# Altium PCB Rear Power Distibution.PcbDoc (part 2 of 3) (continued)
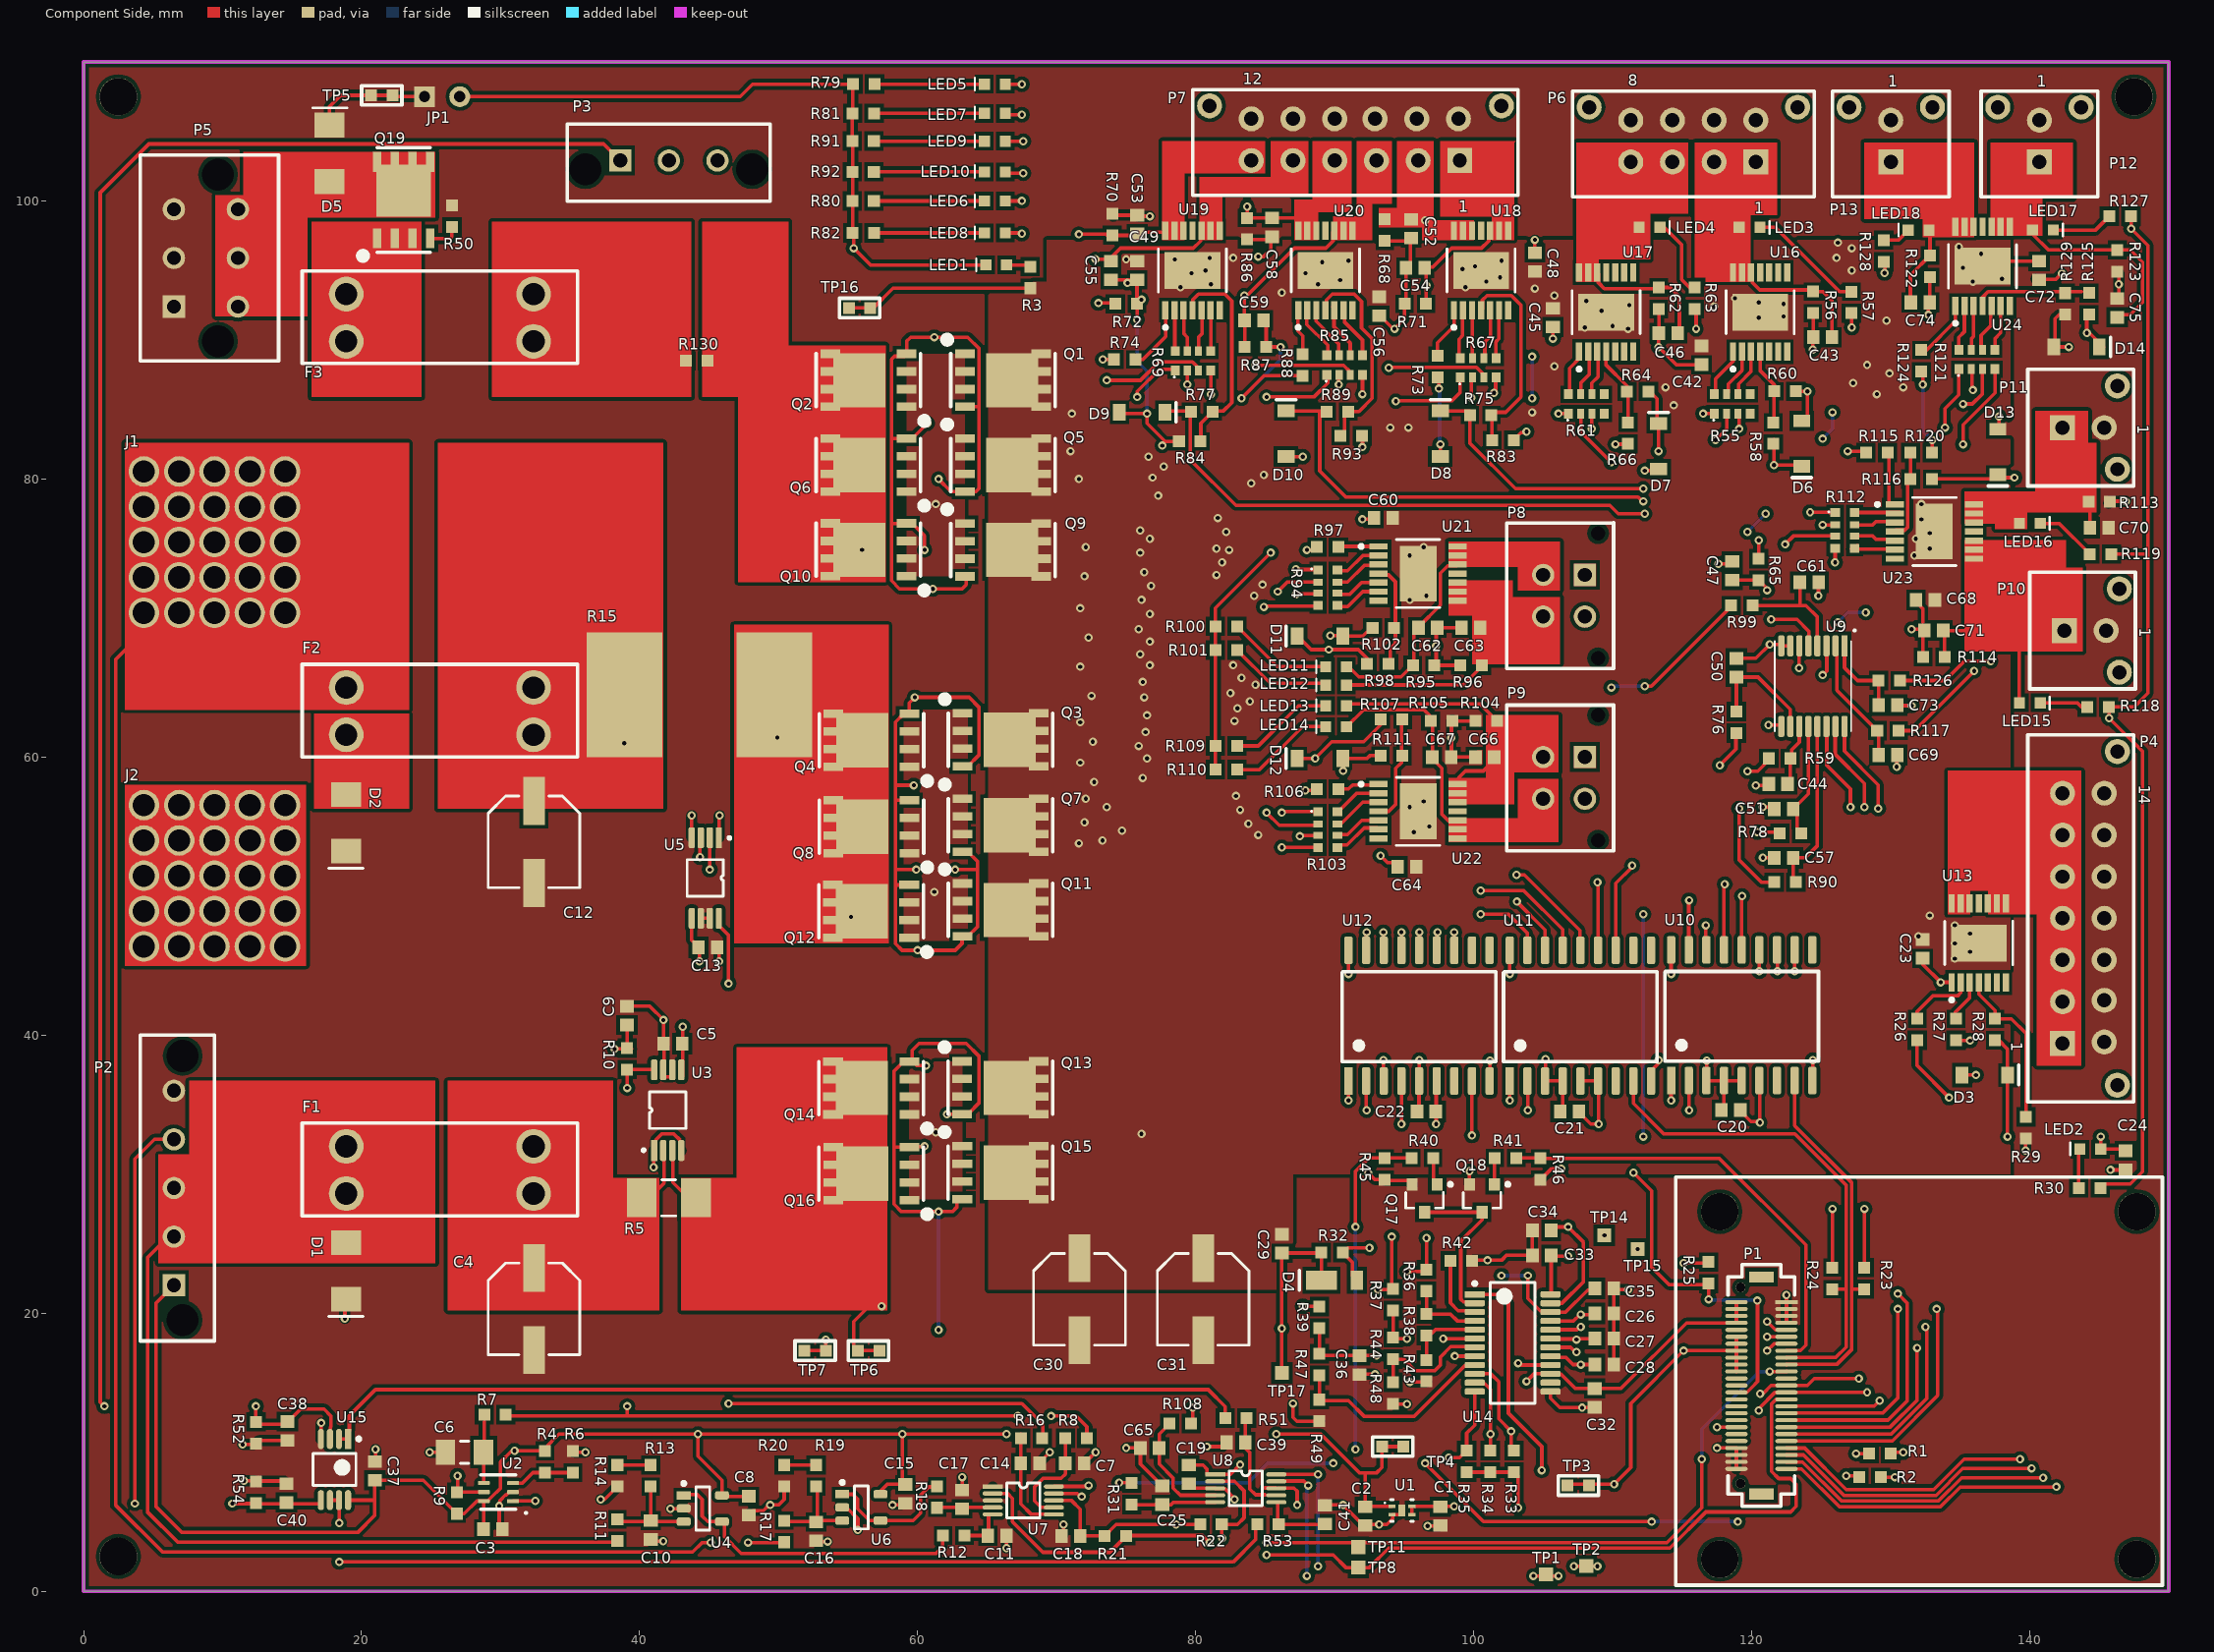
[diagram p0: Component Side view]
## Nets (pads, with @x,y where several pads share a name; then routed paths per layer and width w, separated by ;. In a path a pad name is that pad's centre, name@x,y a point inside that pad or via, vN(x,y) a via of type N, cw(c..) or ccw(c..) an arc to the next point about the centre after c; other vN are vias at no path point) (continued)
  Signal w0.254: v1(72.3,7.6) 78.1,1.8 v1(88.8,1.8) v1(107.2,1.8) v1(108.9,1.8) 112.216,1.8 115.816,5.4 115.816,6.811 120.5,11.495 v1(120.5,13) ; v1(91,35.3) v1(102.6,35.3) v1(114.2,35.3) 124.8,35.3 129.413,30.687 129.413,15.413 v1(128.3,14.3) 127.5,13.5 v1(127.5,9.9)
  Solder Side w0.254: v1(88.8,1.8) v1(88.8,8.4)
ADC_I2C_SDA: P1.13 R2.2 TP1.TP U7.9 U8.9 U10.2 U11.2 U12.2 | length 147.6
  Component Side w0.254: U7.9@69.802,7.027 71.479,7.027 71.706,6.8 v1(71.8,6.8) ; U8.9@85.8,7.929 87.771,7.929 v1(88.1,7.6) ; U12.2@92.258,36.7 92.279,36.679 92.279,34.621 v1(92.3,34.6) ; U11.2@103.864,36.7 103.882,36.682 103.882,34.618 v1(103.9,34.6) ; v1(104.3,1.1) v1(106.1,1.1) ; v1(115.5,34.6) U10.2@115.5,36.67 ; v1(120.6,14.2) 120.8,14.2 121.4,14.8 P1.13@122.5,14.8 124,14.8 124.5,15.3 v1(127.7,15.3) ; v1(126.8,8.3) 127.625,8.3 R2.2@127.725,8.2
  Signal w0.254: v1(71.8,6.8) 77.5,1.1 v1(88,1.1) v1(104.3,1.1) ; v1(92.3,34.6) v1(103.9,34.6) v1(115.5,34.6) 124.4,34.6 128.781,30.219 128.781,16.381 v1(127.7,15.3) 126.8,14.4 v1(126.8,8.3) ; v1(106.1,1.1) 113.584,1.1 121.181,8.697 121.181,13.619 v1(120.6,14.2)
  Solder Side w0.254: v1(88,1.1) 88,7.5 v1(88.1,7.6)
AUX_BAT_IN: D1.1 F1.1 F1.3 P2.2 P2.3 R11.1 | length 55.2
  Component Side w0.254: P2.2@6.5,25.5 6.1,25.5 4.6,24 4.6,5.7 6.779,3.521 R11.1@38.1,3.521
AUX_CURRENT_SENSE: R7.1 R8.1 R10.1 U3.8 | length 69.9
  Component Side w0.254: R7.1@30.375,12.5 30.475,12.6 39.1,12.6 ; v1(39.101,13.301) 39.1,12.6 ; v1(39.101,36.199) R10.1@39.101,37.521 39.101,37.525 40.95,37.525 U3.8@41.05,37.425 ; v1(67.2,12.6) 39.1,12.6 ; v1(69.6,12.6) 71.4,12.6 72.175,11.825 R8.1@72.175,11 R8.1@72.2,11.025
  Signal w0.254: v1(39.101,13.301) v1(39.101,36.199) ; v1(67.2,12.6) v1(69.6,12.6)
AUX_FUSED: C35.1 Q14.5 Q14.6 Q14.7 Q14.8 Q16.5 Q16.6 Q16.7 Q16.8 R5.2 R39.1 TP6.1 U3.3 U14.22 | length 66.3
  Component Side w0.254: U3.3@42.4,31.2 42.4,29.4 43.5,28.3 R5.2@44.05,28.3 ; TP6.1@57.25,17.3 TP6.1@55.7,17.3 55.402,17.598 55.402,19.402 56.5,20.5 v1(57.4,20.5) ; v1(87.7,20.5) R39.1@88.9,20.5 ; v1(103.9,22.7) 103.9,21.061 104.783,20.178 105.427,20.178 U14.22@105.525,20.08 106.618,20.08 108.2,21.662 C35.1@108.725,21.662
  Signal w0.254: v1(57.4,20.5) v1(87.7,20.5) 99.8,20.5 v1(102,22.7)
  Solder Side w0.254: v1(102,22.7) v1(103.9,22.7)
AUX_ISENSE: C7.1 R8.2 U7.7 | length 7.8
  Component Side w0.254: U7.7@69.802,6.027 68.873,6.027 68.4,6.5 68.4,7.5 69.025,8.125 70.325,8.125 70.625,8.425 C7.1@70.625,9.2 R8.2@70.625,11
AUX_OVERCURRENT: R40.2 R45.1 U2.1 | length 86.7
  Component Side w0.254: U2.1@30.894,6.481 30.903,6.491 32.491,6.491 v1(32.5,6.5) ; v1(91.5,26.2) 91.5,30.2 92.462,31.162 93.475,31.162 93.6,31.037 93.725,31.162 R40.2@95.525,31.162
  Signal w0.254: v1(32.5,6.5) 35.2,6.5 38.019,9.319 80.982,9.319 81.863,10.2 v1(91.5,10.2)
  Solder Side w0.254: v1(91.5,10.2) v1(91.5,26.2)
AUX_TEMP: C41.1 R53.2 U8.6 | length 4.5
  Component Side w0.254: R53.2@85.9,4.8 U8.6@85.9,6.329 ; R53.2@85.975,4.8 C41.1@88.9,4.8
AUX_THERMISTOR: C40.1 P2.4 R54.1 U15.5 | length 41.4
  Component Side w0.254: v1(3.7,6.3) 3.7,31.1 5.1,32.5 P2.4@6.5,32.5 ; v1(10.7,6.3) 12.375,6.3 R54.1@12.4,6.325 ; R54.1@12.4,6.275 U15.5@17.1,6.275
  Signal w0.254: v1(3.7,6.3) v1@10.55,6.3
AUX_VSENSE: C11.1 R12.2 U7.5 | length 3.4
  Component Side w0.254: R12.2@63.375,4 65.027,4 C11.1@65.043,3.984 ; C11.1@65.102,3.723 U7.5@65.102,5.427
BMS_CARRIER_EN: R61.2 U11.13 | length 41.2
  Component Side w0.254: R61.2@107.7,84.7 107.7,83.4 v1(109.9,81.2) ; v1(108.9,51) 108.944,50.956 U11.13@108.944,46.1 U11.13@108.944,45.7
  Signal w0.254: v1(108.9,51) 108.9,51.1 110.9,53.1 110.9,80.2 v1(109.9,81.2)
BMS_ISENSE: C47.1 R65.1 U9.5 | length 9.5
  Component Side w0.254: C47.1@118.3,72.725 C47.1@118.6,72.725 R65.1@120.5,72.725 121.1,72.125 v1(121.1,72) ; v1(121.4,69.9) 123.264,69.9 124.1,69.064 124.1,68.025 U9.5@124.075,68
  Signal w0.254: v1(121.1,72) 121.4,71.7 v1(121.4,69.9)
BMS_PWR: C46.1 LED4.1 P6.3 P6.4 R62.1 U17.12 U17.13 U17.14 | length 9.7
  Component Side w0.254: U17.12@108.871,94.85 108.969,94.752 108.969,94.127 109.396,93.7 113.225,93.7 113.3,93.775 114.125,93.775 114.8,93.1 114.8,90.621 C46.1@114.675,90.496
CAM_CHAGER_DSEL: R103.3 U10.16 | length 35.4
  Component Side w0.254: v1(87.5,54.3) 87.55,54.35 88.75,54.35 R103.3@88.8,54.4 ; U10.16@116.7,45.74 v1(116.7,47.9)
  Signal w0.254: v1(87.5,54.3) 89.595,52.205 103.595,52.205 107.9,47.9 v1(116.7,47.9)
CAM_CHAGER_IS: C65.1 R108.1 U8.4 | length 8.6
  Component Side w0.254: R108.1@78.125,12.054 77.375,11.304 C65.1@77.375,10.3 77.375,9.145 78.379,8.141 78.379,7.421 78.9,6.9 U8.4@81.4,6.9
CENTER_BRAKE_LIGHT_EN: R67.4 U12.12 | length 70.7
  Component Side w0.254: U12.12@98.6,45.708 v1(98.6,47.4) ; v1(101.471,86.2) 101.581,86.31 R67.4@101.581,87.39
  Signal w0.254: 89.8,84.7 89.781,84.719 88.019,84.719 80.5,77.2 80.495,55.676 86.247,49.924 96.076,49.924 v1(98.6,47.4) ; 89.819,84.719 100.019,84.719 v1@101.485,86.185
Center_Brake_Light_PWR: C52.1 LED7.1 P7.2 R68.1 U18.12 U18.13 U18.14 | length 49.6
  Component Side w0.254: LED7.1@66.3,106.3 66.4,106.2 v1(67.5,106.2) ; C52.1@95.5,98.675 v1@96.381,98.675 ; v1@96.478,98.578 97.181,97.875 98.554,97.875 U18.14@98.579,97.85
  Signal w0.254: v1(67.5,106.2) 75,106.2 77.1,108.3 99,108.3 100.281,107.019 100.281,100.881 98,98.6 v1(96.5,98.6)
CHARGER_EN: R103.4 U11.15 | length 26.7
  Component Side w0.254: v1(86.2,53.5) 86.205,53.495 88.775,53.495 R103.4@88.78,53.5 ; v1(100.5,50.4) 103.6,50.4 106.404,47.596 U11.15@106.404,46.1
  Signal w0.254: v1(86.2,53.5) 88.558,51.142 99.758,51.142 v1(100.5,50.4)
Charger_PWR: C67.1 LED14.1 P9.1 R105.1 U22.8 U22.9 U22.10 | length 15.2
  Component Side w0.254: LED14.1@90.85,62.175 92.079,63.404 96.421,63.404 R105.1@96.925,62.9 ; R105.1@96.925,62.7 97.025,62.6 C67.1@97.025,60 97.025,59.875 97.714,59.186 97.714,55.886 98.2,55.4 U22.10@98.752,55.4
DCDC_FUSED: C34.1 Q4.5 Q4.6 Q4.7 Q4.8 Q8.5 Q8.6 Q8.7 Q8.8 Q12.5 Q12.6 Q12.7 Q12.8 R15.2 R37.1 TP7.1 U5.3 U14.23 | length 113.5
  Component Side w0.254: v1(44.35,52.8) 44.35,54.15 U5.3@44.4,54.2 ; TP7.1@51.85,17.3 TP7.1@53.4,17.3 v1(53.4,18.1) ; v1(93.1,21.7) 94.155,21.7 R37.1@94.2,21.745 94.1,21.845 v1(94.1,25.5) ; U14.23@105.525,20.715 106.353,20.715 107.9,22.262 107.9,25.1 v1(106.8,26.2) C34.1@105.818,26.2 ; C34.1@105.575,25.607 C34.1@105.575,25.957 ; C34.1@105.575,25.957 C34.1@105.818,26.2 ; C34.1@105.575,25.957 C34.1@105.575,25.962 105.575,26.2 C34.1@105.818,26.2
  Signal w0.254: v1(44.35,52.8) 44.381,52.769 47.669,52.769 49.9,55 v1(49.9,61.4) ; v1(53.4,18.1) 53.4,20.5 54.6,21.7 55.2,21.7 ; v1(55.2,48.5) 55.2,21.7 ; v1(93.1,21.7) 55.2,21.7 ; v1(94.1,25.5) 94.8,26.2 v1(106.8,26.2)
DCDC_ISENSE: C14.1 R16.2 U7.6 | length 7.7
  Component Side w0.254: R16.2@67.427,11.298 67.427,9.798 67.427,9.2 67.427,6.273 68.173,5.527 U7.6@69.802,5.527
DCDC_TEMP: C39.1 R51.2 U8.7 | length 6.5
  Component Side w0.254: R51.2@83.575,12.454 C39.1@83.575,10.7 83.575,10.3 83.898,9.977 83.898,7.35 84.31,6.938 84.991,6.938 85,6.929
DCDC_THERMISTOR: C38.1 P3.1 R52.1 U15.3 | length 146
  Component Side w0.254: v1(1.5,13.3) 1.2,13.6 1.2,100.6 4.7,104.1 37.404,104.1 P3.1@38.6,102.904 ; R52.1@12.4,12.175 v1(12.4,13.3) ; 12.85,12 C38.1@14.675,12 ; C38.1@14.675,12.2 14.725,12.2 15.625,13.1 17.3,13.1 17.781,12.619 17.781,11.818 17.763,11.799 17.763,10.987 U15.3@17.725,10.95 U15.3@17.688,10.912
  Signal w0.254: v1(1.5,13.3) v1(12.4,13.3)
DCDC_UNFUSED: F2.1 J1.1 R17.1 | length 117.4
  Component Side w0.254: J1.1@7.44,70.38 J1.1@6.88,70.38 5.68,70.38 2.3,67 2.3,6.2 5.683,2.817 43.817,2.817 44.5,3.5 v1(45.1,3.5) ; v1(47.8,3.5) R17.1@50.675,3.5
  Signal w0.254: v1(45.1,3.5) v1(47.8,3.5)
DCDC_VSENSE: C17.1 R18.2 U7.4 | length 3.8
  Component Side w0.254: R18.2@61.627,6.027 C17.1@63.2,6.027 ; C17.1@63.2,5.925 63.302,6.027 U7.4@65.402,6.027
Front_Power_Dist_PWR: C24.1 LED2.1 P4.1 P4.2 P4.3 P4.4 P4.5 P4.6 P4.7 U13.8 U13.9 U13.10 U13.12 U13.13 U13.14 | length 10.6
  Component Side w0.254: v1(145.1,32.7) LED2.1@145.1,31.8 146.775,31.8 C24.1@146.9,31.675
  Signal w0.254: P4.1@142.36,39.4 142.36,35.44 v1(145.1,32.7)
FRONT_POWER_IS: C25.1 R31.1 U8.5 | length 5.7
  Component Side w0.254: R31.1@75.8,6.225 77.091,6.225 C25.1@77.1,6.234 ; C25.1@77.1,6.225 C25.1@77.6,6.225 78.225,6.225 78.4,6.4 U8.5@81.4,6.4
GND: C1.2 C2.2 C3.2 C4.2 C5.2 C6.2 C7.2 C8.2 C9.2 C10.2 C11.2 C12.2 C13.2 C14.2 C15.2 C16.2 C17.2 C18.2 C19.2 C20.2 C21.2 C22.2 C23.2 C24.2 C25.2 C26.2 C27.2 C28.2 C30.2 C31.2 C32.2 C33.2 C34.2 C35.2 C36.2 C37.2 C38.2 C39.2 C40.2 C41.2 C42.2 C43.2 C44.2 C45.2 C46.2 C47.2 C48.2 C49.2 C50.2 C51.2 C52.2 C53.2 C54.2 C55.2 C56.2 C57.2 C58.2 C59.2 C60.2 C61.2 C62.2 C63.2 C64.2 C65.2 C66.2 C67.2 C68.2 C69.2 C70.2 C71.2 C72.2 C73.2 C74.2 C75.2 D1.2 D2.2 D3.2 D5.2 D6.2 D7.2 D8.2 D9.2 D10.2 D11.2 D12.2 D13.2 D14.2 J2.1 JP1.1 P1.1 P1.2 P1.3 P1.4 P1.26 P1.27 P1.28 P1.29 P2.5 P4.8 P4.9 P4.10 P4.11 P4.12 P4.13 P4.14 P5.1 P5.2 P5.3 P6.5 P6.6 P6.7 P6.8 P7.7 P7.8 P7.9 P7.10 P7.11 P7.12 P8.3 P8.4 P9.3 P9.4 P10.2 P11.2 P12.2 P13.2 Q17.2 Q18.2 R6.2 R14.2 R20.2 R29.2 R42.2 R43.2 R45.2 R46.2 R48.2 R49.2 R50.2 R52.2 R54.2 R55.1 R56.2 R60.2 R61.1 R62.2 R66.2 R68.2 R70.2 R71.2 R72.2 R73.2 R74.2 R83.2 R84.2 R86.2 R87.2 R88.2 R93.2 R95.2 R96.2 R97.2 R102.2 R104.2 R105.2 R106.2 R111.2 R113.2 R114.2 R115.2 R120.2 R122.2 R123.2 R124.2 R129.2 TP5.1 U1.2 U1.5 U2.2 U3.1 U3.4 U3.6 U3.7 U4.2 U5.1 U5.4 U5.6 U5.7 U6.2 U7.1 U7.3 U8.3 U9.7 U9.8 U10.3 U10.4 U10.5 U10.9 U11.3 U11.4 U11.9 U12.3 U12.5 U12.9 U13.1 U14.13 U15.4 | length 268.5
  Component Side w0.254: v1(11.45,10.55) 12.325,10.55 R52.2@12.4,10.625 12.625,10.85 C38.2@14.675,10.85 ; v1(11.55,7.95) 12.325,7.95 R54.2@12.4,7.875 ; 12.85,7.925 14.404,7.925 C40.2@14.604,7.725 ; U15.4@17.075,10.95 17.088,10.962 17.088,12.088 v1(17.1,12.1) ; D5.2@17.7,106.264 17.7,106.8 18.5,107.6 TP5.1@20.676,107.6 21.96,107.6 TP5.1@22.06,107.5 ; v1(18.8,19.6) 18.8,20.9 D1.2@18.9,21 ; C37.2@20.95,9.325 21,9.375 v1(21,10.2) ; TP5.1@22.226,107.6 22.326,107.5 JP1.1@24.523,107.5 ; v1(24.9,10) C6.2@26.025,10 ; C3.2@30.125,4.45 29.9,4.675 v1(29.9,6.128) 29.966,6.195 29.966,6.523 30.353,6.91 30.398,6.91 30.619,7.131 U2.2@30.894,7.131 ; R6.2@35.2,10.075 35.275,10 v1(36.1,10) ; v1(37.2,6.6) 37.475,6.6 R14.2@38.4,7.525 ; C9.2@39.1,42.075 40.725,42.075 v1(41.712,41.088) 41.712,39.237 41.7,39.225 41.75,39.175 41.75,37 U3.6@42.4,37 ; C10.2@40.8,3.725 40.921,3.604 v1(41.7,3.604) ; v1(41,30.5) 41.025,30.525 41.025,31.675 U3.1@41.05,31.7 41.148,31.798 41.148,32.452 41.596,32.9 42.454,32.9 42.902,32.452 42.902,31.798 U3.4@43,31.7 ; v1(42.225,5.925) 43.15,5.925 U4.2@43.175,5.95 ; U5.4@43.75,54.2 v1(43.75,55.8) ; U5.6@44.4,48.4 U5.7@45.05,48.4 ; U5.1@45.7,54.2 45.725,54.225 45.725,55.775 v1(45.75,55.8) ; v1(45.709,45.309) 45.718,45.318 C13.2@45.718,46.157 ; C8.2@47.85,5.475 48.173,5.798 48.904,5.798 49.306,6.2 v1(49.4,6.2) 50,6.2 50.4,6.6 R20.2@50.4,7.525 ; C16.2@52.7,3.625 52.75,3.575 v1(53.533,3.575) ; U6.2@54.346,6.025 U6.2@54.579,6.025 54.875,6.025 55.7,5.2 v1(55.7,4.4) ; v1(58.2,6.2) 58.775,6.2 C15.2@58.9,6.325 ; C17.2@63.2,7.275 v1(63.2,8.2) ; U7.1@65.379,7.504 U7.1@65.402,7.527 ; C11.2@66.393,3.984 66.4,3.977 v1(66.4,3.1) ; C14.2@68.775,9.2 68.775,9.275 v1(69.5,10) 69.568,10 v1@69.63,9.938 ; C18.2@70.352,3.973 70.5,4.121 v1(70.5,4.8) ; C7.2@71.975,9.2 72.293,9.518 72.318,9.518 v1(72.8,10) ; v1(73.32,88.6) R74.2@74.245,88.6 ; C55.2@73.9,94.325 C49.2@75.8,94.325 75.775,94.3 R72.2@75.775,92.6 ; R70.2@74,98.966 R70.2@74.075,98.891 ; R70.2@74,99.075 74.1,98.975 C53.2@75.8,98.975 75.875,98.9 v1(76.7,98.9) ; D9.2@74.72,84.8 74.82,84.7 v1(76.5,84.7) 76.5,84 77.8,82.7 R84.2@78.8,82.7 ; v1(75,10.3) 75.896,10.3 75.9,10.296 C65.2@75.9,10.087 ; v1(75.8,91.454) R72.2@75.8,92.629 ; C65.2@75.825,10.296 C65.2@75.9,10.221 ; C65.2@76.025,10.3 76.025,9.15 C25.2@77.4,7.775 ; C19.2@79.5,7.725 79.823,7.402 81.398,7.402 U8.3@81.4,7.4 81.409,7.391 82.09,7.391 82.8,6.682 v1(82.8,6.6) ; v1(80.8,10.4) 81.925,10.4 C39.2@82.225,10.7 ; v1(83.3,85.8) 84.925,87.425 R88.2@87.7,87.425 ; R86.2@83.7,97.225 C58.2@85.25,97.225 ; v1(84.5,96) 84.9,96 85.4,96.5 85.4,97.075 C58.2@85.25,97.225 ; C59.2@84.875,91.4 85.075,91.2 R87.2@85.075,89.5 v1(86.1,89.5) ; C58.2@85.5,97.425 85.45,97.425 C58.2@85.25,97.225 ; D10.2@86.5,81.62 86.52,81.6 v1(87.7,81.6) ; v1(87,13.504) 87,12.504 87.279,12.225 R49.2@88.9,12.225 ; v1(87.9,57.6) 88.625,57.6 R106.2@88.725,57.7 ; v1(88,74.9) 88.525,74.9 R97.2@88.725,75.1 ; C41.2@89.5,6.175 89.525,6.2 v1(90.6,6.2) 92.075,4.725 C2.2@92.2,4.725 C2.2@92.4,4.725 ; v1(89.68,68.729) D11.2@90.58,68.729 ; D11.2@90.58,68.7 92.025,68.7 R102.2@92.725,69.4 ; v1(90.6,59) 90.6,59.88 D12.2@90.58,59.9 92.325,59.9 92.525,60.1 R111.2@93.3,60.1 ; C36.2@91.8,15.587 91.813,15.6 v1(92.9,15.6) ; R93.2@91.975,83.1 92,83.075 v1(92,82.3) ; v1(92,77.1) 92.725,77.1 C60.2@92.825,77.2 ; v1(92.4,30.1) 92.882,29.618 93.568,29.618 R45.2@93.6,29.587 93.652,29.535 95.298,29.535 Q17.2@95.571,29.262 ; 92.709,4.8 v1(93.2,4.8) 93.759,4.8 94.166,5.207 94.166,5.498 94.168,5.5 94.636,5.5 94.759,5.623 U1.5@94.759,5.8 ; C56.2@93.196,91.75 93.246,91.75 94.13,90.866 94.234,90.866 v1(94.3,90.8) 95.025,91.525 R71.2@95.025,92.6 95.125,92.7 C54.2@95.125,95.2 95.448,95.523 C52.2@95.448,97.273 ; v1(93.3,52.9) 93.782,52.418 94.207,52.418 C64.2@94.525,52.1 ; v1(93.5,38.2) 93.514,38.186 93.514,36.714 U12.3@93.528,36.7 ; R68.2@93.6,97.125 95.3,97.125 C52.2@95.448,97.273 ; R48.2@94.2,13.482 94.221,13.462 v1(95.2,13.462) ; v1(95.4,15.062) 96.575,15.062 R43.2@96.6,15.087 ; C52.2@95.5,97.325 C52.2@95.448,97.273 ; C22.2@95.925,34.5 96.068,34.643 U12.5@96.068,36.7 96.084,36.716 96.084,38.184 v1(96.1,38.2) ; v1(96.683,4.7) C1.2@97.567,4.7 ; R95.2@97.089,66.7 97.3,66.911 v1(97.3,68) 97.3,69.225 C62.2@97.375,69.3 C63.2@99.125,69.3 ; R95.2@97.175,66.6 R96.2@98.996,66.6 ; R73.2@97.475,87.4 97.575,87.3 97.5,87.225 v1(97.5,86.5) ; D8.2@97.6,81.62 v1(97.6,82.5) ; C67.2@98.375,60 C66.2@100.125,60 ; C67.2@98.375,60.2 98.396,60.221 v1(98.396,61.4) 98.396,62.621 R105.2@98.475,62.7 ; R105.2@98.471,62.6 R104.2@100.125,62.6 ; Q18.2@99.7,29.262 v1(99.7,30.2) ; R42.2@99.875,23.762 99.913,23.8 v1(101,23.8) 102,23.8 102.357,24.157 C33.2@104.225,24.157 C34.2@104.225,25.962 ; U12.9@101.148,36.7 101.174,36.726 v1(101.174,38.174) ; R83.2@102.875,82.8 103.409,83.334 103.734,83.334 v1(103.8,83.4) ; C48.2@104.4,96.275 v1(104.4,97.2) ; R46.2@104.8,29.587 105.613,30.4 v1(106.3,30.4) ; v1(105.175,38.275) 105.167,38.267 105.167,36.733 U11.3@105.134,36.7 U11.4@106.404,36.7 106.404,34.679 C21.2@106.225,34.5 ; U14.13@105.525,14.365 105.525,13.875 106.2,13.2 v1(107.8,13.2) 108.675,13.2 C32.2@108.7,13.225 ; v1(105.7,90.1) C45.2@105.7,90.925 ; v1(106.1,84.7) R61.1@106.82,84.7 ; C28.2@110.075,16.304 C35.2@110.075,21.779 110.154,21.7 v1(111.1,21.7) ; v1(110.2,82.5) R66.2@111.04,82.5 ; v1(112.3,80.6) D7.2@113.3,80.6 ; U11.9@112.754,36.7 112.754,37.412 113.234,37.892 113.234,38.134 v1(113.3,38.2) ; R62.2@113.3,92.225 R62.2@113.304,92.225 ; R62.2@113.3,92.229 R62.2@113.304,92.225 ; C46.2@113.325,90.496 C46.2@113.325,90.5 ; C42.2@116.4,88.225 114.575,88.225 v1(113.3,89.5) 113.3,90.475 C46.2@113.325,90.5 ; v1(116.5,84.7) R55.1@117.32,84.7 ; v1(116.774,38.174) 116.774,36.734 116.74,36.7 U10.4@118.01,36.7 ; v1(117.5,10.3) P1.29@118.9,10.3 P1.28@118.9,9.8 P1.27@118.9,9.3 P1.26@118.9,8.8 ; v1(117.6,73.9) 118.425,73.9 C47.2@118.6,74.075 ; C20.2@117.825,34.6 118.01,34.785 U10.4@118.01,36.7 ; C50.2@118.9,67.1 120.3,67.1 v1(121.3,68.1) U9.8@122.027,68.1 ; U10.5@119.28,36.7 U10.4@118.01,36.7 ; v1(120.3,57.954) C44.2@121.225,57.954 ; v1(120.8,52.759) C57.2@121.625,52.759 ; v1(120.8,56.404) 121.579,56.404 C51.2@121.625,56.358 ; U9.8@122.125,68 U9.7@122.775,68 ; P1.4@122.5,19.3 P1.3@122.5,19.8 P1.2@122.5,20.3 P1.1@122.5,20.8 v1(122.5,21.3) ; R60.2@123.175,86.3 v1(124,86.3) 124,84.508 123.672,84.18 D6.2@123.6,84.18 ; U10.9@124.36,36.7 124.38,36.72 124.38,38.18 v1(124.4,38.2) ; v1(124.4,89.3) 124.4,90.171 C43.2@124.425,90.196 ; R56.2@124.4,91.929 124.425,91.904 C43.2@124.425,90.2 ; v1(124.8,71.6) 124.8,72.5 124.837,72.538 C61.2@124.813,72.562 ; v1(126.9,82) 128.121,82 R115.2@128.221,81.9 ; C69.2@130.301,60.2 130.475,60.2 130.426,60.151 v1(130.426,59.3) ; C73.2@130.475,63.8 130.575,63.7 v1(131.5,63.7) ; v1(131.5,69.204) C71.2@132.125,69.204 ; C68.2@131.525,71.45 132.325,70.65 132.325,69.696 ; R124.2@132.1,87.725 132.3,87.525 v1(132.3,86.8) ; C23.2@132.3,45.525 132.3,45.1 v1(133.6,43.8) 134.358,43.8 U13.1@134.381,43.777 U13.1@134.356,43.752 ; R114.2@132.325,67.2 C71.2@132.325,69.1 ; v1(132.712,91.807) 132.712,92.607 C74.2@132.8,92.695 132.8,94.495 R122.2@132.825,94.52 ; R120.2@132.971,81.9 132.996,81.925 v1(132.996,82.8) ; D3.2@135.131,37.127 v1(136.131,37.127) ; D13.2@137.7,83.58 137.68,83.6 137.8,83.72 v1(137.8,84.5) ; v1(139.7,31.7) R29.2@139.7,32.5 ; C72.2@140.429,94.396 140.454,94.371 141.871,94.371 v1(142.3,94.8) ; D14.2@141.72,89.5 141.818,89.598 141.818,91.527 142.116,91.825 ; D14.2@142,89.5 v1(142.8,89.5) ; R113.2@145.675,78.258 R113.2@145.775,78.358 145.817,78.4 v1(146.9,78.4) ; v1(145.8,30.3) 146.875,30.3 C24.2@146.9,30.325 ; R123.2@146.3,94.925 146.4,94.825 v1(146.4,94) C75.2@146.4,93.175 ; R62.2@113.304,92.225 113.325,92.204 C46.2@113.325,90.5
  Solder Side w0.254: v1(75.8,91.454) 75.8,88.451 76.5,87.751 v1(76.5,84.7) ; v1(83.3,85.8) 86.1,88.6 v1(86.1,89.5) ; v1(97.5,86.5) 97.55,86.45 97.55,82.55 v1(97.6,82.5) ; v1(132.3,86.8) 132.3,83.496 v1(132.996,82.8)
  other v1: 77.6,82.4 76.1,92.9 75.1,94.1
LDO_3V: C2.1 C3.1 C5.1 C8.1 C13.1 C15.1 C37.1 P2.1 P3.3 R4.1 R9.1 TP4.1 U1.1 U2.6 U3.5 U4.5 U5.5 U6.5 U15.8 | length 244.2
  Component Side w0.254: P2.1@6.5,22 5.2,20.7 5.2,6.1 7.081,4.219 19.719,4.219 20.95,5.45 20.95,6.6 ; U15.8@19.025,6.55 20.9,6.55 20.95,6.6 ; C3.1@28.775,4.45 28.794,4.469 U2.6@28.794,6.481 ; v1@30.775,10.075 30,9.3 30,7.412 29.29,6.702 29.069,6.481 U2.6@28.794,6.481 ; v1(31,10.1) R4.1@33.175,10.1 ; R4.1@33.188,10.1 33.188,10.288 34.2,11.3 v1(44.2,11.3) ; U3.5@43.05,37 43.1,37.05 v1(43.1,40.6) ; U5.5@43.75,48.4 43.75,46.825 C13.1@44.3,46.275 ; v1(44.3,45.3) C13.1@44.3,46.025 ; U4.5@45.925,6.8 47.825,6.8 C8.1@47.85,6.825 ; U4.5@45.925,6.9 45.925,7.975 44.2,9.7 v1(44.2,11.3) ; U6.5@57.096,6.975 57.821,7.7 58.675,7.7 C15.1@58.8,7.575 ; C15.1@58.9,7.675 58.95,7.675 58.9,7.725 v1(58.9,11.3) ; v1(66.4,11.3) v1(58.9,11.3) ; v1(85.8,11.3) 89,11.3 91.804,8.496 92.2,8.496 ; C2.1@92.2,6.075 92.225,6.1 C2.1@92.375,6.1 ; C2.1@92.4,6.075 C2.1@92.375,6.1 ; U1.1@94.114,6.1 C2.1@92.375,6.1 ; TP4.1@94.95,10.4 TP4.1@93.4,10.4 93.4,8.9 92.996,8.496 92.2,8.496 ; 20.95,6.6 C37.1@20.95,7.975 24.45,7.975 R9.1@26.85,5.575 27.375,5.575 28.281,6.481 U2.6@28.794,6.481 ; v1(44.2,11.3) v1(58.9,11.3) ; 92.2,8.496 92.2,6.275 C2.1@92.375,6.1
  Signal w0.254: v1(44.2,11.3) 44.2,39.5 v1(43.1,40.6) 43.1,42.3 44.3,43.5 44.3,47 37,54.3 37,94.304 P3.3@45.6,102.904 ; v1(66.4,11.3) v1(85.8,11.3)
LED_GND: JP1.2 LED1.2 R30.2 R57.2 R63.2 R79.2 R80.2 R81.2 R82.2 R91.2 R92.2 R100.2 R101.2 R109.2 R110.2 R118.2 R119.2 R127.2 R128.2 | length 279
  Component Side w0.254: JP1.2@27.063,107.5 47.24,107.5 48.125,108.385 55.325,108.385 R81.2@55.325,106.3 ; R81.2@55.3,106.075 R91.2@55.3,104.31 55.325,104.285 R82.2@55.325,97.7 55.4,97.625 v1(55.4,96.6) 56.6,95.4 LED1.2@64.9,95.4 ; R110.2@81.425,59.1 R109.2@81.425,60.804 R101.2@81.425,67.7 R100.2@81.425,69.404 81.425,70.725 v1(85.4,74.7) ; R63.2@115.9,92.225 116.1,92.025 116,91.925 v1(116,90.8) ; R57.2@127.163,91.925 127.3,91.788 127.2,91.688 v1(127.2,90.9) ; R128.2@129.5,95.625 129.6,95.525 129.6,94.863 v1(129.55,94.813) ; R30.2@145.075,29 145.373,29.298 147.218,29.298 148.1,30.18 148.1,60.412 145.712,62.8 v1(145.7,62.8) 145.7,63.575 R118.2@145.675,63.6 147.5,63.6 148.506,64.606 148.506,74.6 ; R119.2@145.875,74.6 148.506,74.6 ; R127.2@147.275,98.9 147.3,98.875 v1(147.3,98) 148.506,96.794 148.506,74.6
  Signal w0.254: v1(55.4,96.6) 55.763,96.6 61.963,90.4 92,90.4 93.6,88.8 v1(104.2,88.8) 114,88.8 v1(116,90.8) 127.1,90.8 v1(127.2,90.9) 129.55,93.25 ; v1(85.4,74.7) 88.6,77.9 96.3,77.9 v1(104.2,85.8) v1@104.3,85.8 ; v1(129.55,94.813) 129.55,93.25 ; v1(147.3,98) 147.3,93.937 146.613,93.25 129.55,93.25
  Solder Side w0.254: v1(104.2,85.8) v1(104.2,88.8)
MOTOR_INTERFACE_EN: R55.2 U11.12 | length 45.3
  Component Side w0.254: U11.12@110.214,45.7 U11.12@110.214,46.1 110.214,50.914 111.4,52.1 v1(111.4,52.2) ; v1(117.4,82.8) 118.2,83.6 R55.2@118.2,84.7
  Signal w0.254: v1(111.4,52.2) 111.4,81.9 112.3,82.8 v1(117.4,82.8)
MOTOR_INTERFACE_ISENSE: C44.1 R59.1 U9.14 | length 4.4
  Component Side w0.254: C44.1@122.775,58 R59.1@122.775,59.9 ; R59.1@122.875,59.913 122.875,60.519 123.425,61.069 U9.14@123.425,62.2
Motor_Interface_PWR: C43.1 LED3.1 P6.1 P6.2 R56.1 U16.12 U16.13 U16.14 | length 9.8
  Component Side w0.254: U16.12@119.95,94.85 120.048,94.752 120.048,94.127 120.571,93.604 124.275,93.604 R56.1@124.4,93.479 ; R56.1@124.4,93.604 R56.1@124.4,93.479 ; C43.1@125.775,90.2 125.775,92.825 125.121,93.479 R56.1@124.4,93.479
NetC4_1: C4.1 F1.2 F1.4 R5.1 U3.2 | length 3.9
  Component Side w0.254: R5.1@40.15,28.3 40.7,28.3 41.75,29.35 U3.2@41.75,31.2
NetC6_1: C6.1 R7.2 U2.4 | length 4.4
  Component Side w0.254: U2.4@28.794,7.781 28.794,9.981 C6.1@28.775,10 28.825,10.05 28.825,12.2
NetC9_1: C9.1 R9.2 R10.2 U2.5 | length 45.8
  Component Side w0.254: R9.2@26.85,7.125 R9.2@26.856,7.131 ; v1(26.9,8.3) 26.9,7.175 R9.2@26.856,7.131 ; U2.5@28.794,7.131 R9.2@26.856,7.131 ; v1(38.2,39) R10.2@39.425,39 ; R10.2@39.1,39.325 C9.1@39.1,40.5
  Signal w0.254: v1(26.9,8.3) 26.9,11.9 28.3,13.3 36.6,13.3 37.9,14.6 37.9,38.7 v1(38.2,39)
NetC10_1: C10.1 R11.2 R13.1 U4.3 | length 8.5
  Component Side w0.254: R11.2@38.192,5 C10.1@40.4,5 ; C10.1@40.725,5.1 40.725,5 42.975,5 U4.3@43.075,5 ; R13.1@40.8,7.525 40.8,5.071 C10.1@40.5,5 ; U4.3@42.975,5.1 U4.3@43.075,5 ; U4.3@43.175,4.9 U4.3@43.075,5 ; U4.3@43.475,5 U4.3@43.175,5 U4.3@43.075,5 ; C10.1@40.5,5 40.625,5 40.5,4.875 C10.1@40.5,5
NetC12_1: C12.1 F2.2 F2.4 R15.1 U5.2 | length 16.3
  Component Side w0.254: v1(45.05,51.9) U5.2@45.05,54.2
  Signal w0.254: v1(38.9,61) 38.9,54.2 41.3,51.8 44.95,51.8 v1(45.05,51.9)
NetC16_1: C16.1 R17.2 R19.1 U6.3 | length 6.5
  Component Side w0.254: R17.2@50.7,5 C16.1@52.567,5 ; R19.1@52.567,7.525 52.8,7.292 C16.1@52.8,5.075 ; U6.3@54.346,5.075 C16.1@52.8,5.075 ; C16.1@52.8,5.075 52.642,5.075 52.8,4.917 C16.1@52.8,5.075
NetC36_1: C36.1 R39.2 R47.1 U14.8 | length 13.2
  Component Side w0.254: R47.1@88.896,16.937 88.9,16.932 R47.1@88.9,17.075 ; R39.2@88.9,18.594 R47.1@88.9,17.075 ; C36.1@91.8,16.962 89.013,16.962 R47.1@88.9,17.075 ; C36.1@91.825,16.962 v1(93,16.962) ; v1(98.637,16.905) U14.8@100.075,16.905
  Signal w0.254: v1@92.7,16.962 v1(93,16.962) 93.4,16.962 v1(98.637,16.905)
NetD2_1: D2.1 F2.3
NetD3_1: D3.1 R28.2 R31.2 | length 101
  Component Side w0.254: v1(74.5,7.8) 75.616,7.8 R31.2@75.625,7.809 ; v1(96.5,9.2) 100.7,5 v1(112.8,5) ; R28.2@137.5,39.625 137.775,39.625 138.4,39 v1(138.4,32.7)
  Signal w0.254: v1(89.9,9.2) v1(96.5,9.2) ; v1(119,5) 136.026,5 138.4,7.374 v1(138.4,32.7)
  Solder Side w0.254: v1@74.654,7.809 74.663,7.8 83.763,7.8 85.163,9.2 v1(89.9,9.2) ; v1(112.8,5) v1(119,5)
NetD4_1: D4.1 R32.2 U14.16 | length 25.1
  Component Side w0.254: D4.1@91.6,22.362 91.277,22.685 91.277,23.66 R32.2@90.575,24.362 90.913,24.7 v1(92.5,24.7) ; v1(103.2,16.4) 103.334,16.266 105.521,16.266 U14.16@105.525,16.27 U14.16@105.623,16.172
  Signal w0.254: v1(92.5,24.7) 101.6,24.7 103.2,23.1 v1(103.2,16.4)
NetD5_1: D5.1 P5.4 P5.5 P5.6 Q19.5 Q19.6 Q19.7 Q19.8
NetD6_1: D6.1 R58.2 R59.2 | length 28.8
  Component Side w0.254: v1(119.7,58.987) 120.425,58.987 R59.2@121.225,59.787 ; R58.2@121.6,82.825 v1(121.6,81) 123.5,81 D6.1@123.6,80.9
  Signal w0.254: v1(119.7,76.2) 119.413,75.913 119.413,59.474 v1@119.9,58.987 ; v1(121,77.5) 121.6,78.1 v1(121.6,81)
  Solder Side w0.254: v1(119.7,76.2) v1(121,77.5)
NetD7_1: D7.1 R64.2 R65.2 | length 16.8
  Component Side w0.254: R64.2@112.575,86.3 R64.2@112.6,86.3 ; R64.2@112.6,86.376 113.2,85.776 D7.1@113.2,83.994 ; v1(113.3,82) D7.1@113.3,83.994 ; R65.2@120.5,74.275 v1(120.5,75.6)
  Signal w0.254: v1@113.2,82 v1(113.3,82) 115.447,82 120.566,76.881 120.566,75.666 v1(120.5,75.6)
NetD8_1: D8.1 R75.1 R76.2 | length 43.7
  Component Side w0.254: D8.1@97.896,84.9 R75.1@99.725,84.9 ; R75.1@99.725,84.8 R75.1@99.725,84.65 ; R75.1@99.925,84.55 99.825,84.65 R75.1@99.725,84.65 ; v1(112.2,79.3) 103,79.3 99.725,82.575 R75.1@99.725,84.65 ; v1(117.7,59.4) 118.863,60.563 R76.2@118.863,61.763 ; R76.2@118.9,61.725 R76.2@118.9,61.729
  Signal w0.254: v1(112.2,79.3) 113.1,79.3 115.2,77.2 115.2,62 117.7,59.5 v1(117.7,59.4)
NetD9_1: D9.1 R77.1 R78.2 | length 69.4
  Component Side w0.254: D9.1@77.7,84.9 79.823,84.9 79.6,84.677 79.6,81.4 82.9,78.1 109.8,78.1 110.4,77.5 v1(112.3,77.5) ; D9.1@77.8,84.8 D9.1@78,84.8 ; v1(120.4,54.6) R78.2@122.025,54.6
  Signal w0.254: v1(112.3,77.5) 112.9,77.5 113.6,76.8 113.6,60.1 119.1,54.6 v1(120.4,54.6)
  Solder Side w0.254: v1@112.137,77.5 v1(112.3,77.5)
NetD10_1: D10.1 R89.1 R90.2 | length 63.5
  Component Side w0.254: D10.1@86.5,84.9 88.925,84.9 88.925,80.575 90.8,78.7 111.825,78.7 v1@112.106,78.419 ; v1(119.1,56.3) 119.1,52.6 120.7,51 R90.2@121.625,51 R90.2@121.825,51
  Signal w0.254: v1(112.2,78.4) 113.1,78.4 114.4,77.1 114.4,61 v1(119.1,56.3)
  Solder Side w0.254: v1@112.137,78.4 v1(112.2,78.4)
NetD11_1: D11.1 R98.1 R99.2 | length 38.6
  Component Side w0.254: D11.1@87.3,68.729 88.3,67.729 v1(89.58,67.729) 91.696,67.729 92.335,67.09 R98.1@92.335,66.7 ; v1(112.3,65.1) 112.779,65.1 R99.2@118.525,70.846
  Signal w0.254: v1(89.58,67.729) 91.671,67.729 94.4,65 v1(109.9,65)
  Solder Side w0.254: v1(109.9,65) 110,65.1 v1(112.3,65.1)
NetD12_1: D12.1 R107.1 R108.2 | length 107
  Component Side w0.254: R108.2@79.775,11.8 79.8,11.825 v1(79.8,13.2) ; D12.1@87.3,59.9 v1(88.6,59.9) 89.8,61.1 92.1,61.1 93.3,62.3 R107.1@93.3,62.9
  Signal w0.254: v1(79.8,13.2) 80.625,12.375 111.275,12.375 113.7,14.8 113.7,31.2 v1(112.2,32.7) ; v1(88.6,59.9) 96.8,59.9 108,48.7 v1(112.2,48.7)
  Solder Side w0.254: v1(112.2,32.7) v1(112.2,48.7)
NetD13_1: D13.1 R116.1 R117.2 | length 28.4
  Component Side w0.254: R117.2@130.575,61.9 131.7,61.9 v1(136,66.2) ; R116.1@132.975,80 137.4,80 D13.1@137.7,80.3 137.9,80.1 v1(138.9,80.1)
  Signal w0.254: v1(136,66.2) 136.006,66.206 136.006,72.306 138.9,75.2 v1(138.9,80.1)